# Altium PCB linux_board_PCB.PcbDoc (part 3 of 3)
Units mil, origin at the board's own origin, x right, y up, seen from the top; angles counter-clockwise.
Board outline 7095.54 x 3947.54 mil, 2 copper layers (Top Layer, Bottom Layer); 282 components, 277 nets, 1199 pads, 446 vias.
Unrouted connection lines stored in the file: 29.
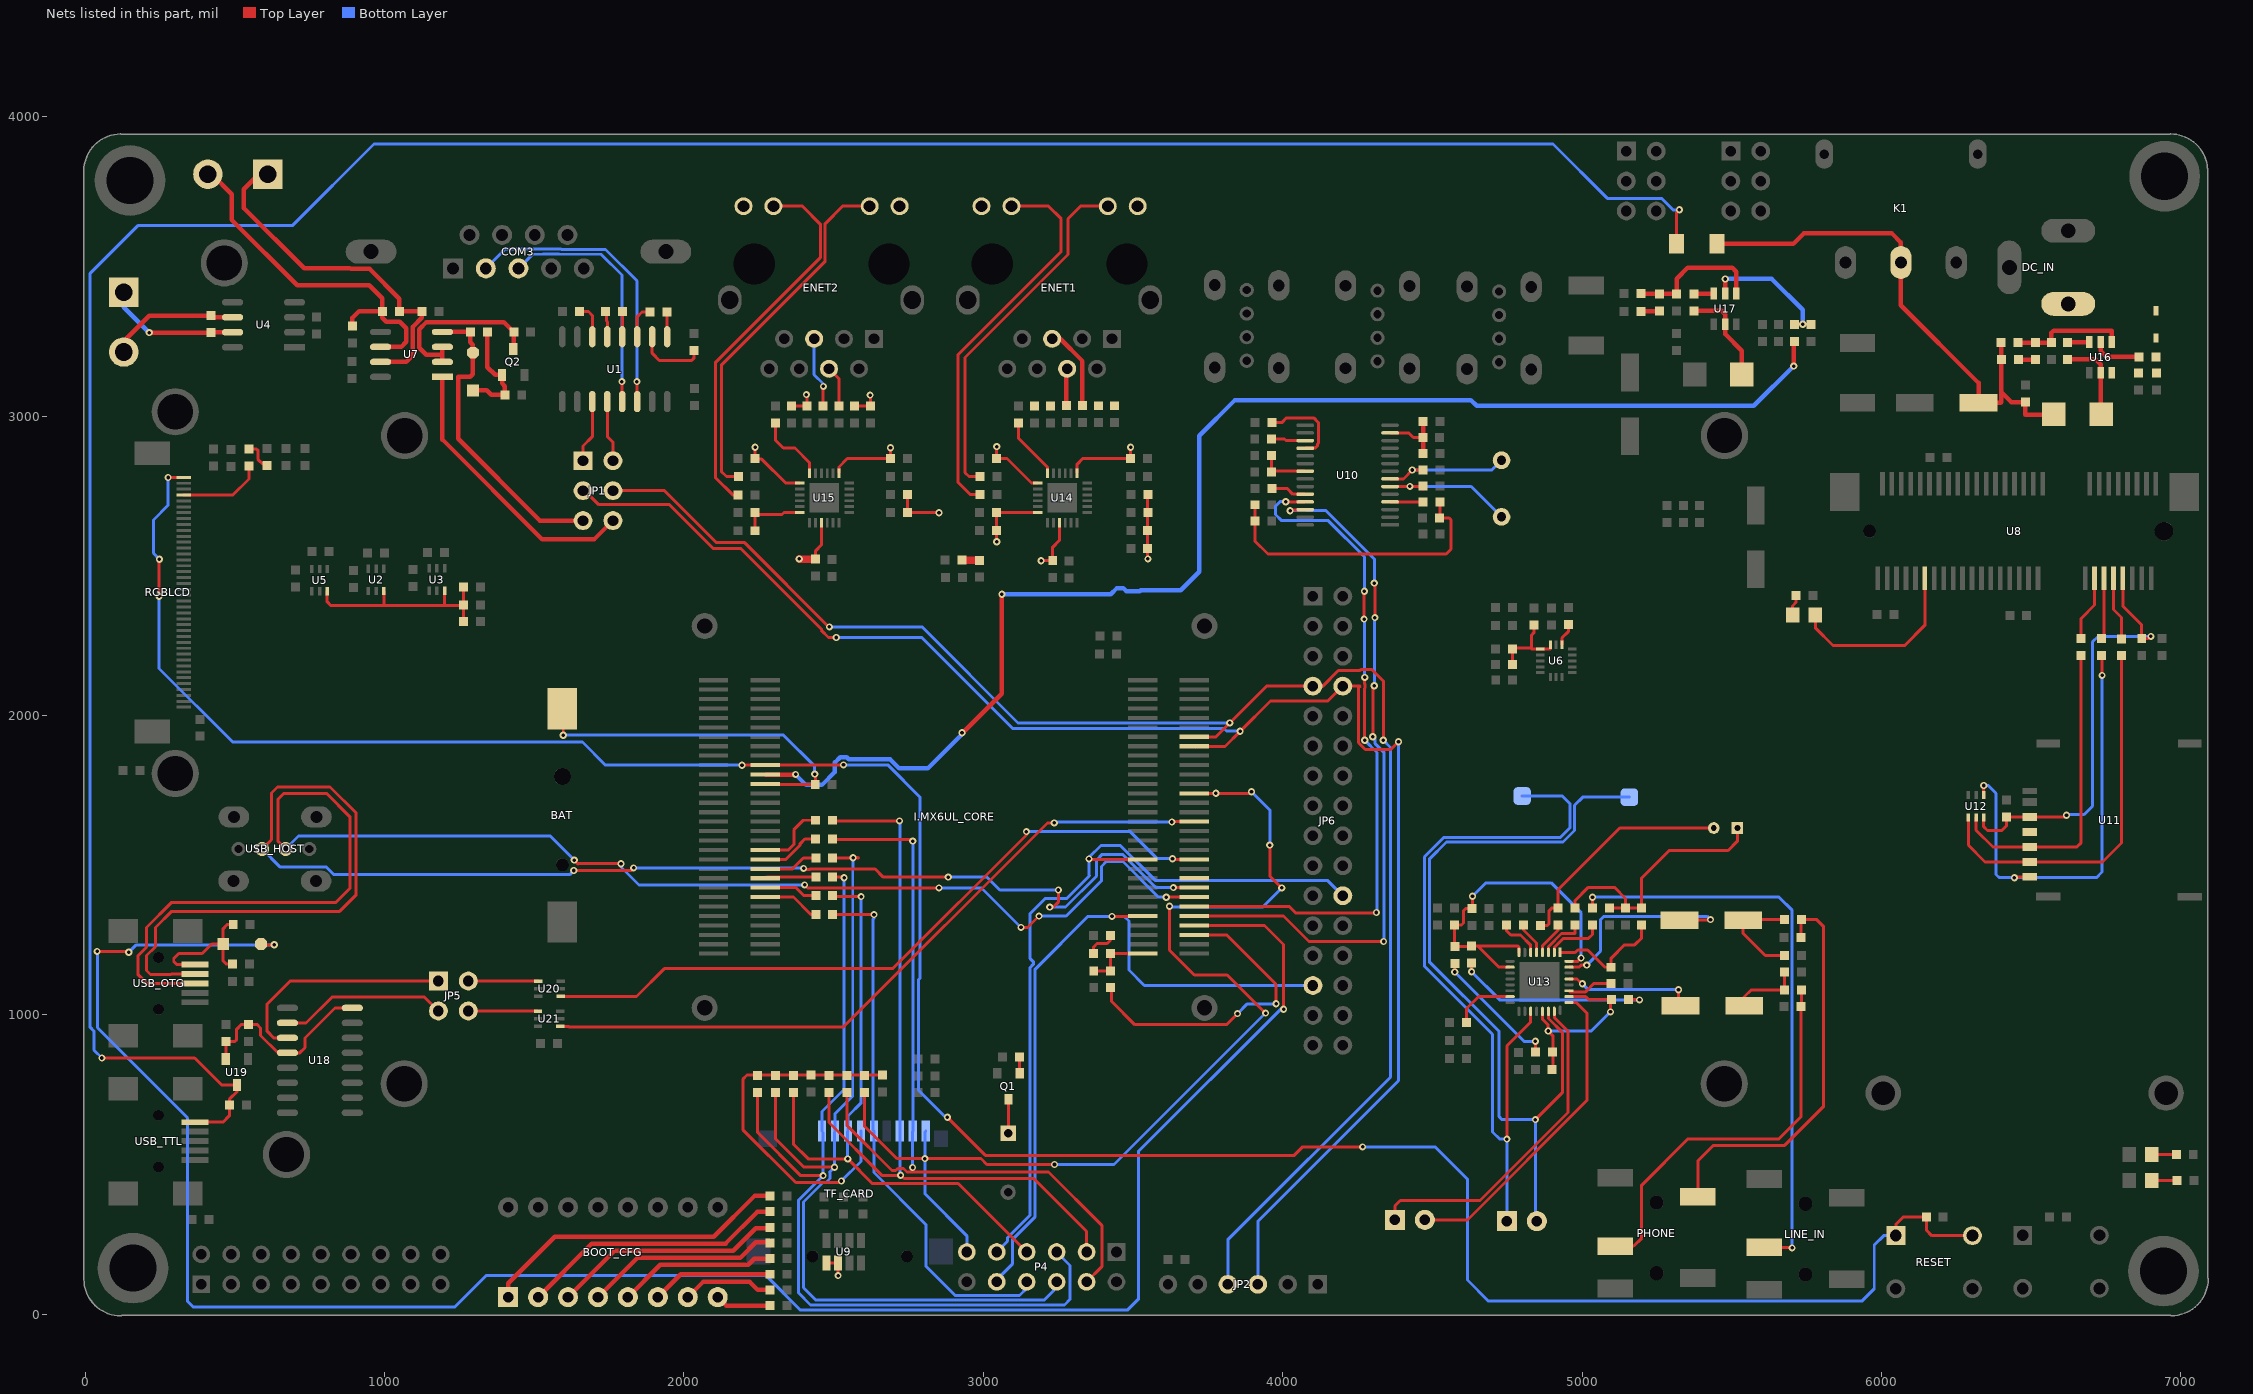
[diagram p3: the nets of this part, all layers, seen from the top]

## Via types
v1: diameter 24, hole 12, Top Layer to Bottom Layer, tented both sides, 317 vias
v2: diameter 24, hole 12, Top Layer to Bottom Layer, 127 vias
v3: diameter 29.53, hole 29.53, Top Layer to Bottom Layer, 2 vias

## Nets (pads, with @x,y where several pads share a name; then routed paths per layer and width w, separated by ;. In a path a pad name is that pad's centre, name@x,y a point inside that pad or via, vN(x,y) a via of type N, cw(c..) or ccw(c..) an arc to the next point about the centre after c; other vN are vias at no path point) (continued)
LINE_INR: C44.2 LINE_IN.5 | length 1943.7
  Top Layer w10: C44.2@5034.5,1356.5 5034.5,1392.5 v1(5035,1393) ; LINE_IN.5@5608.2,223.33 5699.67,223.33 v1(5701.5,221.5)
  Bottom Layer w10: v1(5035,1393) 5658,1393 5702,1349 5702,222 v1(5701.5,221.5)
MAIN_MIC2N: C41.2 MIC.2 R48.1 | length 773.6
  Top Layer w10: R48.1@4862,1298.75 4883.75,1298.75 4890,1305 4890,1348 4898.5,1356.5 C41.2@4919.5,1356.5 4919.5,1417.5 5126,1624 MIC.2@5440,1624
MAIN_MIC2P: C34.1 C40.2 MIC.1 R47.1 R49.2 | length 882.4
  Top Layer w10: C40.2@4977,1356.5 4977,1382 5021,1426 5108,1426 5145,1389 R47.1@5145,1356.25 ; C34.1@5092,1356.25 R47.1@5145,1356.25 ; MIC.1@5518.74,1624 5518.74,1579.74 5488,1549 5291,1549 5199,1457 R49.2@5199,1356.25 R47.1@5145,1356.25
NetBEEP_1: BEEP.1 Q1.3 | length 113.7
  Top Layer w10: BEEP.1@3083,604.43 3084,605.43 Q1.3@3084,717.69
NetBOOT_CFG_1: BOOT_CFG.1 R88.2 | length 1041.7
  Top Layer w15: BOOT_CFG.1@1413,57 1413,103 1569,259 2100,259 2236,395 R88.2@2287.75,395
NetBOOT_CFG_2: BOOT_CFG.2 R89.2 | length 893.1
  Top Layer w15: BOOT_CFG.2@1513,57 1692,236 2139,236 2245.71,342.71 R89.2@2287.75,342.71
NetBOOT_CFG_3: BOOT_CFG.3 R90.2 | length 775
  Top Layer w15: BOOT_CFG.3@1613,57 1768,212 2165,212 2240,287 R90.2@2292.75,287
NetBOOT_CFG_4: BOOT_CFG.4 R91.2 | length 651.6
  Top Layer w15: BOOT_CFG.4@1713,57 1844,188 2188,188 2240,240 R91.2@2288.75,240
NetBOOT_CFG_5: BOOT_CFG.5 R93.2 | length 530.8
  Top Layer w15: BOOT_CFG.5@1813,57 1921,165 2215,165 2235,185 R93.2@2290.75,185
NetBOOT_CFG_6: BOOT_CFG.6 R95.2 | length 407.6
  Top Layer w15: BOOT_CFG.6@1913,57 1990,134 R95.2@2288.75,134
NetBOOT_CFG_7: BOOT_CFG.7 R97.2 | length 308
  Top Layer w15: BOOT_CFG.7@2013,57 2063.96,107.96 2220.04,107.96 2247,81 R97.2@2288.75,81
NetBOOT_CFG_8: BOOT_CFG.8 R98.2 | length 187.3
  Top Layer w15: BOOT_CFG.8@2113,57 2141,29 R98.2@2287.75,29 R98.2@2288.75,29
NetC3_1: C3.1 U1.3 | length 117.1
  Top Layer w10: U1.3@1844,3265 1844,3332 1860,3348 C3.1@1887.5,3348
NetC3_2: C3.2 U1.1 | length 83
  Top Layer w10: U1.1@1944,3265 C3.2@1944,3348
NetC4_2: C4.2 U1.2 | length 232.6
  Top Layer w10: U1.2@1894,3265 1894,3210 1918,3186 2026,3186 2033,3193 C4.2@2033,3218.75
NetC5_1: C5.1 U1.5 | length 87.6
  Top Layer w10: C5.1@1738.62,3349 1741,3346.62 1741,3318 1742,3318 1745,3315 1745,3266 U1.5@1744,3265
NetC5_2: C5.2 U1.4 | length 84.5
  Top Layer w10: U1.4@1794,3265 1795.12,3266.12 C5.2@1795.12,3349
NetC6_2: C6.2 U1.6 | length 119.1
  Top Layer w10: C6.2@1651.25,3349 1681,3349 1694,3336 U1.6@1694,3265
NetC10_2: C10.2 PHONE.2 R54.2 | length 1359.3
  Top Layer w10: PHONE.2@5386.8,392.91 5386.8,511.8 5439,564 5677,564 5806,693 5806,1296 5784,1318 R54.2@5732.25,1318 5731.5,1317.25 C10.2@5731.5,1258
NetC12_2: C12.2 C13.1 L3.1 U6.1 U6.16 | length 278.8
  Top Layer w10: C12.2@4767.25,2171 C13.1@4767.25,2222 4770.25,2225 4828,2225 4831,2222 ; L3.1@4839,2302.75 4839,2276 4831,2268 4831,2222 ; U6.16@4894,2236 4894,2221.62 U6.1@4859.96,2221.62 4859.58,2222 4831,2222
NetC14_1: C14.1 U6.14 | length 77
  Top Layer w10: U6.14@4933.37,2236 4933.37,2259.37 4954,2280 C14.1@4954,2304.5
NetC18_2: C18.2 D4.1 Q2.1 R25.2 | length 360.8
  Top Layer w15: D4.1@1295.11,3085.87 1341.13,3085.87 1356.13,3070.87 C18.2@1401.86,3070.87 1401.86,3100.14 1392.71,3109.29 Q2.1@1392.71,3137.56 1369.44,3137.56 1343.36,3163.64 R25.2@1343.36,3280.87
NetC22_1: C22.1 C23.1 C27.1 R37.1 | length 994.7
  Top Layer w10: C22.1@3907,2703.85 C23.1@3907,2649 3907,2583 3951,2539 4546,2539 4562.5,2555.5 4562.5,2653.5 4556.29,2659.71 C27.1@4524,2659.71 4525.25,2660.96 R37.1@4525.25,2713.43
NetC29_1: C29.1 U10.6 X1.2 | length 470.8
  Top Layer w10: U10.6@4358.73,2764.61 4466.36,2764.61 C29.1@4468.75,2767 C29.1@4468.75,2755.25
  Bottom Layer w10: v1(4425,2765) 4629.51,2765 X1.2@4731,2663.51
NetC30_1: C30.1 U10.7 X1.1 | length 433.8
  Top Layer w10: U10.7@4358.73,2790.2 4403.2,2790.2 v1(4433,2820) C30.1@4468.75,2820
  Bottom Layer w10: v1(4433,2820) 4698.51,2820 X1.1@4731,2852.49
NetC31_1: C31.1 R43.2 R44.2 U10.13 | length 223.8
  Top Layer w10: U10.13@4358.73,2943.75 4421.25,2943.75 4436.59,2928.41 C31.1@4468,2928.41 C31.1@4468.75,2928.41
  Top Layer w15: R44.2@4468.75,2874.57 4468.75,2928.41 R43.2@4468.75,2982
NetC32_2: C32.2 U13.27 | length 153.6
  Top Layer w10: U13.27@4956.42,1080.47 4959.89,1077 5012.18,1077 5028,1092.82 5028,1094 5038,1104 C32.2@5096.75,1104
NetC33_1: C33.1 R49.1 U13.1 | length 400.7
  Top Layer w10: U13.1@4926.92,1208.43 4977.24,1208.43 4985.82,1217 5019,1217 5077,1159 C33.1@5097.25,1159 5097.25,1189.25 5142,1234 5176,1234 5199,1257 R49.1@5199,1299.75
NetC35_1: C35.1 C38.2 | length 429.5
  Top Layer w10: v1(4575,1143) C35.1@4575,1171.75 ; C38.2@4844.25,876.06 v1(4844.25,911.75)
  Bottom Layer w10: v1(4575,1143) 4806.25,911.75 v1(4844.25,911.75)
NetC36_1: C36.1 C37.2 | length 666.6
  Top Layer w10: v1(4631,1144) C36.1@4631,1172.75 ; C37.2@5154.5,1051 5191,1051 v1(5192,1050)
  Bottom Layer w10: v1(4631,1144) 4725,1050 v1(5192,1050)
NetC37_1: C37.1 C38.1 L8.2 U13.21 U13.26 | length 631.3
  Top Layer w10: U13.21@4867.84,1011.57 4867.84,985.15 4887,966 v2(4887,946) 4902.5,930.5 L8.2@4902.5,817 ; U13.26@4956.42,1060.78 5012.22,1060.78 5022,1051 C37.1@5098,1051 5095,1048 v2(5095,1010)
  Bottom Layer w10: v2(4887,946) 5031,946 v2(5095,1010)
NetC40_1: C40.1 U13.3 | length 155.3
  Top Layer w10: U13.3@4887.53,1208.43 4887.53,1227.89 4931.39,1271.75 4977,1271.75 C40.1@4977,1300
NetC41_1: C41.1 U13.4 | length 113
  Top Layer w10: U13.4@4867.84,1208.43 4867.84,1230.83 4919.5,1282.49 C41.1@4919.5,1300
NetC42_1: C42.1 U13.6 | length 144.2
  Top Layer w10: C42.1@4747,1300 4747,1282 4762,1267 4794.25,1267 4828.47,1232.79 U13.6@4828.47,1208.43
NetC43_1: C43.1 U13.5 | length 109.7
  Top Layer w10: C43.1@4804.5,1300 4804.5,1283.5 4848.16,1239.85 U13.5@4848.16,1208.43
NetC44_1: C44.1 U13.2 | length 193.3
  Top Layer w10: U13.2@4907.23,1208.43 4907.23,1224.96 4938.02,1255.75 5021.75,1255.75 5034.5,1268.5 C44.1@5034.5,1300
NetC45_1: C45.1 U13.31 | length 713.5
  Top Layer w10: U13.31@4956.42,1159.23 4989.77,1159.23 4990,1159 4997,1166 v1(5015.43,1166) ; C45.1@5325.7,1316 5427,1316 v1(5429,1318)
  Bottom Layer w10: v1(5015.43,1166) 5062,1212.57 5062,1318 5073,1329 5418,1329 v1(5429,1318)
NetC45_2: C45.2 R26.1 R54.1 | length 350.6
  Top Layer w10: R26.1@5675.75,1198 5612,1198 5538.3,1271.7 C45.2@5538.3,1316 5540.3,1318 R54.1@5675.75,1318
NetC46_1: C46.1 U13.29 | length 438
  Top Layer w10: U13.29@4956.42,1119.85 4983.15,1119.85 4999,1104 v1(5001,1104) ; v1(5322,1084) 5322,1038.7 5321,1037.7 C46.1@5328.7,1030
  Bottom Layer w10: v1(5001,1104) 5021,1084 v1(5322,1084)
NetC46_2: C46.2 R30.1 R83.1 | length 233.6
  Top Layer w10: C46.2@5541.3,1030 5541.3,1059.3 5565,1083 R83.1@5675.75,1083 R30.1@5675.75,1143
NetC49_2: C49.2 C50.2 U14.6 | length 235.1
  Top Layer w10: v1(3045,2580) 3044.5,2580.5 C50.2@3044.5,2618.03 C49.2@3044.5,2678.05 3044.76,2677.79 U14.6@3181.28,2677.79
NetC55_2: C55.2 ENET1.4 | length 124.1
  Top Layer w15: C55.2@3277.94,3034.75 3277.94,3155.94 ENET1.4@3280,3158
NetC56_2: C56.2 ENET1.5 | length 281
  Top Layer w15: ENET1.5@3230,3258 3257,3258 3331.25,3183.75 C56.2@3331.25,3034.75
NetC57_2: C57.2 C58.2 U15.6 | length 215.9
  Top Layer w10: C58.2@2237.25,2617 2237.25,2677.8 C57.2@2237.5,2678.05 2244.55,2671 2327.18,2671 2334.23,2678.05 2386.01,2678.05 U15.6@2386.28,2677.79
NetC62_2: C62.2 ENET2.4 | length 138.2
  Top Layer w10: ENET2.4@2484.82,3158 2517.31,3125.51 C62.2@2517.31,3033.25
NetC63_2: C63.2 ENET2.5 | length 238.3
  Top Layer w10: C63.2@2464.5,3033.25 2464.5,3097.5 v1(2466,3099)
  Bottom Layer w10: ENET2.5@2434.82,3258 2434.82,3138.18 2466,3107 v1(2466,3099)
NetC65_1: C65.1 U17.6 | length 67
  Top Layer w15: C65.1@5374,3408.25 5374.93,3409.18 U17.6@5440.6,3409.18
NetC65_2: C65.2 L10.1 U17.2 | length 333
  Top Layer w15: C65.2@5374,3351.75 5466.25,3351.75 5478,3340 U17.2@5478,3306.82 5478,3274 5533.74,3218.26 L10.1@5533.74,3139
NetC66_1: C66.1 U16.6 | length 73
  Top Layer w15: C66.1@6622,3246.25 6622.93,3247.18 U16.6@6694.6,3247.18
NetC66_2: C66.2 L11.1 U16.2 | length 284.7
  Top Layer w15: C66.2@6622,3189.75 6715.25,3189.75 6732,3173 U16.2@6732,3144.82 6732,3007.74 L11.1@6733.74,3006
NetC67_1: C67.1 R78.1 | length 61.5
  Top Layer w15: C67.1@5197.25,3350 5256.25,3350 R78.1@5258,3351.75
NetC68_2: C68.2 R46.1 U17.5 | length 398.5
  Top Layer w15: U17.5@5478,3409.18 v1(5478,3458)
  Bottom Layer w15: v1(5478,3458) 5634,3458 5737,3355 v1(5737,3307)
NetC70_1: C70.1 R79.1 | length 56.9
  Top Layer w15: C70.1@6457.25,3189 6457.5,3188.75 R79.1@6514,3188.75
NetC70_2: C70.2 C71.1 C74.2 F1.1 K1.2 L11.2 R82.1 | length 1795.2
  Top Layer w15: F1.1@5450.5,3575 5705,3575 5740,3610 6035,3610 6065,3580 K1.2@6065,3513 6065,3370 6324.3,3110.7 C71.1@6324.3,3044 6399,3044 6400.75,3045.75 6400.75,3079.25 ; R82.1@6399.75,3246 6400.75,3245 C70.2@6400.75,3189 6400.75,3079.25 ; L11.2@6576.26,3006 6574.26,3004 6481,3004 C74.2@6481,3046.75 6433.25,3046.75 6400.75,3079.25
NetC81_1: C81.1 I.MX6UL_CORE.J2_1 L9.2 R11.1 | length 220.8
  Top Layer w10: C81.1@3369,1147.25 R11.1@3425,1147.25 3425,1204.75 L9.2@3425.25,1205 3531.26,1205 I.MX6UL_CORE.J2_1@3531.95,1204.31
NetC91_2: C91.2 PHONE.5 R83.2 | length 1326.7
  Top Layer w10: PHONE.5@5111.2,227.55 5172.55,227.55 5199,254 5199,431 5354,586 5658,586 5731.5,659.5 C91.2@5731.5,1028 5732.25,1028.75 R83.2@5732.25,1083
NetC96_1: C96.1 L9.1 | length 103.3
  Top Layer w10: L9.1@3368.75,1205 3368.75,1226.75 3380,1238 3414,1238 3425.25,1249.25 C96.1@3425.25,1265
NetCAN1_1: CAN1.1 R10.2 U4.7 | length 449.6
  Top Layer w15: v1(214,3278.75) R10.2@420,3278.75 421.25,3280 U4.7@492.65,3280
  Bottom Layer w15: CAN1.1@129,3414 129,3363.75 v1(214,3278.75)
NetCAN1_2: CAN1.2 R10.1 U4.6 | length 437.3
  Top Layer w15: CAN1.2@129,3214 129,3250.25 214,3335.25 R10.1@420,3335.25 425.25,3330 U4.6@492.65,3330
NetCOM3_2: COM3.2 U1.14 | length 979.2
  Top Layer w10: v1(1843,3115) 1844,3114 U1.14@1844,3048.46
  Bottom Layer w10: COM3.2@1338.24,3493.19 1402.71,3557.65 1589.81,3557.65 1590.93,3556.54 1738.46,3556.54 1843,3452 v1(1843,3115)
NetCOM3_3: COM3.3 U1.13 | length 816.5
  Top Layer w10: U1.13@1794,3048.46 v1@1794,3114
  Bottom Layer w10: COM3.3@1447.42,3493.19 1494.76,3540.54 1528.65,3540.54 1529.76,3541.65 1583.18,3541.65 1584.3,3540.54 1723.46,3540.54 1793,3471 v1(1793,3115)
NetDC_IN_1: DC_IN.1 VD1.1
NetDS0_1: DS0.1 R9.2 | length 80.2
  Top Layer w10: DS0.1@6907,447 6908,446 R9.2@6986.75,446
NetENET1_10: ENET1.10 R62.1 | length 1195.8
  Top Layer w10: R62.1@2988.75,2797.97 2952.03,2797.97 2939,2811 2939,3196 3283,3540 3283,3659 3324.91,3700.91 ENET1.10@3415.83,3700.91
NetENET1_11: ENET1.11 R64.1 | length 1296
  Top Layer w10: R64.1@2988.75,2737.95 2956.05,2737.95 2916,2778 2916,3205.53 3260,3549.53 3260,3659 3218.09,3700.91 ENET1.11@3094.18,3700.91
NetENET2_10: ENET2.10 R68.1 | length 1208.2
  Top Layer w10: R68.1@2181.75,2797.97 2142.03,2797.97 2125,2815 2125,3170 2471.86,3516.86 2471.86,3642.86 2529.91,3700.91 ENET2.10@2620.65,3700.91
NetENET2_11: ENET2.11 R69.1 | length 1272.5
  Top Layer w10: R69.1@2180.5,2737 2163,2737 2105,2795 2105,3178.28 2455.86,3529.14 2455.86,3641 2395.95,3700.91 ENET2.11@2299,3700.91
NetGREEN_1: GREEN.1 R33.1 | length 69.9
  Top Layer w10: GREEN.1@5703,2336 5703,2366 5714.75,2377.75 R33.1@5714.75,2401
NetGREEN_2: GREEN.2 U8.42 | length 618.2
  Top Layer w10: GREEN.2@5779.01,2336 5779.01,2292.99 5838,2234 6078,2234 6145.02,2301.02 U8.42@6145.02,2458
NetJP5_2: JP5.2 U20.4 | length 233.8
  Top Layer w10: JP5.2@1280,1113 1513.19,1113 U20.4@1513.6,1112.59
NetJP5_4: JP5.4 U21.4 | length 232.8
  Top Layer w10: JP5.4@1280,1013 1512.19,1013 U21.4@1512.6,1012.59
NetPWR_1: PWR.1 R50.2 | length 82
  Top Layer w10: PWR.1@6903,533 R50.2@6985,533
NetQ1_1: Q1.1 R18.2 | length 54.8
  Top Layer w10: R18.2@3121.25,859 3121.4,858.85 Q1.1@3121.4,804.31
NetQ2_3: Q2.3 R24.1 U7.2 U7.3 | length 595.9
  Top Layer w15: U7.2@1193.46,3180.87 1193.46,3205 ; U7.3@1193.46,3230.87 1193.46,3205 ; Q2.3@1430.11,3224.18 1431.86,3225.93 R24.1@1431.86,3280.87 1398.73,3314 1140,3314 1116,3290 1116,3228 1139,3205 1193.46,3205
NetR19_1: R19.1 R21.2 RS485.1 U7.7 | length 1202.8
  Top Layer w15: RS485.1@610,3808 580,3808 530,3758 530,3695 731.5,3493.5 884.57,3493.5 886.47,3491.59 949.91,3491.59 1049.25,3392.25 R21.2@1049.25,3350 R19.1@1124.75,3350 1124.75,3328.45 1095,3298.7 1095,3203 1072.87,3180.87 U7.7@986.76,3180.87
NetR20_2: R20.2 R21.1 RS485.2 U7.6 | length 1239
  Top Layer w15: RS485.2@410,3808 423.5,3808 490.05,3741.45 490.05,3655.05 708.1,3437 949,3437 992.75,3393.25 R21.1@992.75,3350 ; R20.2@893,3301.25 893,3328 915,3350 R21.1@992.75,3350 ; U7.6@986.76,3230.87 1055.87,3230.87 1073,3248 1073,3293 1051,3315 1006,3315 992.75,3328.25 R21.1@992.75,3350
NetR27_1: R27.1 U8.10 | length 213.2
  Top Layer w10: U8.10@6774.95,2458 6774.95,2354.05 6801.94,2327.06 R27.1@6801.94,2256
NetR28_1: R28.1 U8.12 | length 204.7
  Top Layer w10: R28.1@6734.53,2257 6743.45,2265.92 U8.12@6743.45,2458
NetR29_1: R29.1 U8.14 | length 219.6
  Top Layer w10: R29.1@6667,2257 6667,2324 6711.95,2368.95 U8.14@6711.95,2458
NetR37_2: R37.2 U10.4 | length 110
  Top Layer w10: U10.4@4358.73,2713.43 R37.2@4468.75,2713.43
NetR38_2: R38.2 U10.17 | length 114.1
  Top Layer w10: R38.2@3963.25,2923.27 4005.73,2923.27 4010.84,2918.16 U10.17@4075.27,2918.16
NetR39_2: R39.2 R40.2 U10.21 | length 164.6
  Top Layer w10: R39.2@3963.25,2813.56 R40.2@3963.25,2868.42 ; R39.2@3965.48,2815.8 U10.21@4075.27,2815.8
NetR41_1: R41.1 U10.24 | length 119.1
  Top Layer w10: R41.1@3964.25,2758.58 4014.42,2758.58 4033.98,2739.02 U10.24@4075.27,2739.02
NetR42_1: R42.1 U10.18 | length 291.6
  Top Layer w10: R42.1@3964.25,2978 3997,2978 4013,2994 4103.79,2994 4119.8,2978 4119.8,2909.5 4117,2906.7 4117,2902 4107.57,2892.57 U10.18@4075.27,2892.57
NetR51_2: R51.2 U13.15 | length 207.9
  Top Layer w10: R51.2@4614.25,975 4614.25,1021.25 4653.78,1060.78 U13.15@4759.57,1060.78
NetR66_2: R66.2 U14.24 | length 207.5
  Top Layer w10: R66.2@3117,2976.75 3117,2927 3214.79,2829.21 U14.24@3214.79,2809.72
NetR73_2: R73.2 U15.24 | length 236.7
  Top Layer w10: R73.2@2306.06,2976.5 2306.06,2918.94 2332,2893 2371,2893 2419.79,2844.21 U15.24@2419.79,2809.72
NetR76_1: R76.1 R77.2 | length 101.6
  Top Layer w10: R77.2@547,2890.25 572.75,2890.25 577,2886 577,2856 598.25,2834.75 R76.1@608,2834.75
NetR77_1: R77.1 RGBLCD.37 | length 283.8
  Top Layer w10: RGBLCD.37@329.21,2736.3 493.3,2736.3 547,2790 R77.1@547,2833.75
NetR78_2: R78.2 R81.2 R92.2 U17.4 | length 463.5
  Top Layer w15: R81.2@5197.25,3409 5198,3408.25 R78.2@5258,3408.25 R92.2@5316,3408.25 5316,3459 5353,3496 5502,3496 5515.4,3482.6 U17.4@5515.4,3409.18
NetR79_2: R79.2 R82.2 R94.2 U16.4 | length 387.8
  Top Layer w15: R82.2@6456.25,3246 6457,3245.25 R79.2@6514,3245.25 R94.2@6568,3245.25 6568,3278 6575.6,3285.6 6769.4,3285.6 U16.4@6769.4,3247.18
NetR80_2: R80.2 U16.5 | length 166.2
  Top Layer w15: U16.5@6732,3247.18 6732,3218 6752,3198 R80.2@6860.75,3198
NetSPKL_1: SPKL.1 U13.23 | length 1111
  Top Layer w10: SPKL.1@4375,315 4375,362 4393,380 4659.37,380 4953,673.63 4953,945.25 4907.23,991.03 U13.23@4907.23,1011.57
NetSPKL_2: SPKL.2 U13.25 | length 1072.4
  Top Layer w10: SPKL.2@4475,315 4617,315 5016,714 5016,1006 4980.92,1041.08 U13.25@4956.42,1041.08
NetSPKR+_1: SPKR+.1 SPKR.2 U13.22 | length 2643.8
  Top Layer w10: v1(4844,650) 4934,740 4934,941.63 4887.53,988.09 U13.22@4887.53,1011.57
  Bottom Layer w10: SPKR.2@4849,311 4844,316 v1(4844,650) 4733,650 4723,660 4723,944.11 4490,1177.11 4490,1520 4547,1577 4936,1577 4975,1616 4975,1700 5002,1727 SPKR+.1@5158,1727
NetSPKR_1: SPKR-.1 SPKR.1 U13.19 | length 2580.6
  Top Layer w10: v1(4749,585) 4749,896.53 4828.47,975.99 U13.19@4828.47,1011.57
  Bottom Layer w10: SPKR.1@4749,311 v1(4749,585) 4725,585 4701,609 4701,935 4474,1162 4474,1528 4539,1593 4928,1593 4959,1624 4959,1706 4934,1731 SPKR-.1@4800,1731
NetU9_5: U9.5 U9.6 | length 80.3
  Top Layer w10: U9.5@2476.62,171 U9.6@2514.81,171 2514.81,129.19 v1(2515,129)
nUSB_OTG_CHD: I.MX6UL_CORE.J2_52
PMIC_ON_REQ: I.MX6UL_CORE.J1_41 R46.2 | length 4656.6
  Top Layer w15: I.MX6UL_CORE.J1_41@2272.11,1802.73 2372.73,1802.73 v1(2373,1803) ; v2(2929,1942) 2931,1942 3062,2073 v2(3062,2405) ; v2(5707,3167) 5707,3245.75 R46.2@5710,3248.75
  Bottom Layer w15: v1(2373,1803) 2408,1768 2461,1768 2504,1811 2504,1842.94 2504.88,1842.94 2522.44,1860.5 2543.56,1860.5 2550.56,1853.5 2688.66,1853.5 2719.16,1823 2815,1823 2934,1942 v2(2929,1942) ; v2(3062,2405) 3425.94,2405 3446.44,2425.5 3467.56,2425.5 3477.56,2415.5 3522.56,2415.5 3525.56,2418.5 3659.5,2418.5 3721,2480 3721,2934 3840.5,3053.5 4628.56,3053.5 4648.06,3034 5574,3034 v2(5707,3167)
RESET: I.MX6UL_CORE.J1_40 R115.1 RESET.1 RGBLCD.40 | length 8735.1
  Top Layer w10: v2(247,2398) 247,2521 v2(248,2522) ; v1(277,2795) 277.36,2795.36 RGBLCD.40@329.21,2795.36 ; v2(2194,1834) 2194.23,1834.23 I.MX6UL_CORE.J1_40@2272.11,1834.23 2532.23,1834.23 v1(2533,1835) ; v1(2880,658) 3007,531 4039,531 4067,559 v1(4267,559) ; RESET.1@6048.05,262.58 6048.05,300.05 6072,324 R115.1@6149.75,324 6149.75,281.25 6168.42,262.58 RESET.1@6303.95,262.58
  Bottom Layer w10: v2(247,2398) 247,2157 493,1911 1661.37,1911 1738.37,1834 v2(2194,1834) ; v2(248,2522) 228,2542 228,2653 277,2702 v1(277,2795) ; v1(2533,1835) 2681,1835 2788,1728 2788,1121.18 2783,1116.18 2783,749 2880,652 v1(2880,658) ; v1(4267,559) 4509,559 4617,451 4617,114 4686,45 5936,45 5976,85 5976,231 6007.58,262.58 RESET.1@6048.05,262.58
RS485_RX: D4.2 JP1.5 R25.1 U7.4 | length 1027.5
  Top Layer w15: U7.4@1193.46,3280.87 R25.1@1286.86,3280.87 1286.86,3246.14 1295.11,3237.89 D4.2@1295.11,3211.85 1295.11,3140.11 1285.87,3130.87 1246,3130.87 1246,2924 1519,2651 JP1.5@1663,2651
RS485_TX: JP1.6 U7.1 | length 943.1
  Top Layer w15: U7.1@1193.46,3130.87 1193.46,2921.54 1527,2588 1700,2588 JP1.6@1763,2651
RXD: JP5.1 U18.3 | length 771.7
  Top Layer w10: U18.3@675.73,923 630,923 608,945 608,1036 685,1113 JP5.1@1180,1113
SD1_CLK: I.MX6UL_CORE.J1_54 R100_4.2 | length 192.5
  Top Layer w10: I.MX6UL_CORE.J1_54@2272.11,1393.28 2365.72,1393.28 2424,1335 R100_4.2@2440.5,1335
SD1_CMD: I.MX6UL_CORE.J1_53 R100_3.2 | length 179.5
  Top Layer w10: I.MX6UL_CORE.J1_53@2272.11,1424.78 2374.22,1424.78 2401.03,1397.97 R100_3.2@2440.5,1397.97
SD1_DATA0: I.MX6UL_CORE.J1_49 R99_1.1 | length 237.2
  Top Layer w10: I.MX6UL_CORE.J1_49@2272.11,1550.76 2348.76,1550.76 2367,1569 2367,1618 2399,1650 R99_1.1@2439.5,1650
SD1_DATA1: I.MX6UL_CORE.J1_50 R99_2.1 | length 197.8
  Top Layer w10: I.MX6UL_CORE.J1_50@2272.11,1519.27 2340.27,1519.27 2387,1566 2387,1570 2404.03,1587.03 R99_2.1@2439.5,1587.03
SD1_DATA2: I.MX6UL_CORE.J1_52 R100_2.2 | length 170.3
  Top Layer w10: I.MX6UL_CORE.J1_52@2272.11,1456.28 2276.78,1460.95 R100_2.2@2440.5,1460.95
SD1_DATA3: I.MX6UL_CORE.J1_51 R100_1.2 | length 183.4
  Top Layer w10: I.MX6UL_CORE.J1_51@2272.11,1487.77 2362.77,1487.77 2398.92,1523.92 R100_1.2@2440.5,1523.92
SD_3V3: C95.2 L2.1 R1.2 R2.2 R4.2 R5.2 R6.2 R8.2 TF_CARD.4 | length 1238.2
  Top Layer w10: v2(2526,445) 2521,440 2373.63,440 2197,616.63 2197,784.75 2211,798.75 2305.91,798.75 L2.1@2663.36,798.75
  Bottom Layer w10: v2(2526,445) 2591.28,510.28 TF_CARD.4@2591.28,611.64
SGM_CTRL: R32.1 R35.1 R36.1 U2.6 U3.6 U5.6 | length 705.9
  Top Layer w10: U5.6@808.59,2414.6 808.59,2379.41 819.59,2368.41 ; 819.59,2367.41 997.59,2367.41 ; U2.6@997.59,2415.6 997.59,2368.41 999,2367 1261.5,2367 R35.1@1263.5,2369 ; 1200.59,2369 U3.6@1200.59,2416.6 ; R32.1@1263.5,2314 R35.1@1263.5,2369 ; R36.1@1263.5,2429 R35.1@1263.5,2369
SIM_CLK: R28.2 U11.C3 U12.1 | length 1498.6
  Top Layer w10: U12.1@6341.59,1734.4 6341.59,1765.59 v1(6342,1766) ; v1(6444,1458) 6446.75,1460.75 U11.C3@6495.94,1460.75 ; R28.2@6734.53,2200.5 6737,2198.03 v1(6737,2134)
  Bottom Layer w10: v1(6342,1766) 6357,1766 6383,1740 6383,1469 6394,1458 v1(6444,1458) 6718,1458 6737,1477 v1(6737,2134)
SIM_DATA: R27.2 U11.C7 U12.4 | length 1279.4
  Top Layer w10: U12.4@6290.41,1659.6 6290.41,1566.59 6346.25,1510.75 U11.C7@6495.94,1510.75 6738.75,1510.75 6801.94,1573.94 R27.2@6801.94,2199.5
SIM_RST: R29.2 U11.C2 U12.5 | length 1048.3
  Top Layer w10: U12.5@6316,1659.6 6316,1617 6372.25,1560.75 U11.C2@6495.94,1560.75 6652.75,1560.75 6667,1575 R29.2@6667,2200.5
SIM_VDD: C28.1 C90.1 U8.8 U11.C1 U12.6 | length 1462.7
  Top Layer w10: U12.6@6341.59,1659.6 6341.59,1628.41 6354,1616 6402,1616 6417,1631 C28.1@6417,1661 6417.25,1660.75 U11.C1@6495.94,1660.75 6611.75,1660.75 v2(6618,1667) ; U8.8@6806.44,2458 6806.44,2365.56 6869.47,2302.53 C90.1@6869.47,2257.25 6893.25,2257.25 v2(6900,2264)
  Bottom Layer w10: v2(6618,1667) 6620,1669 6677,1669 6705,1697 6705,2246 6723,2264 v2(6900,2264)
SIM_VPP: U11.C6
SNVS_TAMPER0: I.MX6UL_CORE.J2_5 JP6.27 P4.10 | length 2392.6
  Top Layer w10: v1(3430,1329) 3530.66,1329 I.MX6UL_CORE.J2_5@3531.95,1330.29
  Bottom Layer w10: P4.10@3045,108 3045,115 3097,167 3097,249 3172,324 3172,1151 3350,1329 v1(3430,1329) 3471,1329 3486.5,1313.5 3486.5,1149.5 3538,1098 JP6.27@4101,1098
SNVS_TAMPER2: I.MX6UL_CORE.J2_11 JP6.22 P4.9 | length 2611.7
  Top Layer w10: v1(3353,1521) 3354.73,1519.27 I.MX6UL_CORE.J2_11@3531.95,1519.27
  Bottom Layer w10: P4.9@3045,208 3081,244 3081,255.63 3156,330.63 3156,1157.63 3167,1168.63 3167,1177.47 3156.74,1187.74 3156.74,1338.74 3206,1388 3278,1388 3355,1465 3353,1467 v1(3353,1521) 3353,1526 3393,1566 3457.88,1566 3575.88,1448 4151,1448 JP6.22@4201,1398
TXD: JP5.3 U18.2 | length 559.8
  Top Layer w10: U18.2@675.73,973 738,973 825,1060 1133,1060 JP5.3@1180,1013
U3_RX: JP1.1 U1.11 | length 210.3
  Top Layer w10: JP1.1@1663,2851 1663,2900 1694,2931 U1.11@1694,3048.46
U3_TX: JP1.2 U1.12 | length 205.3
  Top Layer w10: U1.12@1744,3048.46 1744,2932 1763,2913 JP1.2@1763,2851
UART1_RTS: I.MX6UL_CORE.J2_43 P4.11 R8.1 TF_CARD.9 | length 3691.6
  Top Layer w10: R8.1@2603.68,741.25 2603.68,627.32 2711,520 v1(2805,520) 2992,520 3012,500 v2(3238,500) ; v2(3622,1363) 3622,1215.83 3704.83,1133 3814.63,1133 3941.63,1006 v2(3943,1006) ; I.MX6UL_CORE.J2_43@3705.18,1739.74 3776.74,1739.74 v1(3777,1740) 3891,1740 v2(3896,1745) ; v2(3957,1567) 3957,1464 v2(3997,1424)
  Bottom Layer w10: TF_CARD.9@2807.82,611.64 2805,608.82 v1(2805,520) 2805,402 2945,262 P4.11@2945,208 ; v2(3238,500) 3437,500 v2(3943,1006) ; v2(3622,1363) 3624.5,1360.5 3933.5,1360.5 v2(3997,1424) ; v2(3896,1745) 3957,1684 v2(3957,1567)
UART1_RXD: I.MX6UL_CORE.J2_46 U21.1 | length 2401.8
  Top Layer w10: U21.1@1587.4,961.41 1614.41,961.41 1614.82,961 1616,961 ; 1616,960 2533.37,960 3214.37,1641 v1(3237,1641) ; v1(3630,1644) 3631.25,1645.25 I.MX6UL_CORE.J2_46@3705.18,1645.25
  Bottom Layer w10: v1(3237,1641) 3240,1644 v1(3630,1644)
UART1_TXD: I.MX6UL_CORE.J2_50 U20.1 | length 2390.9
  Top Layer w10: U20.1@1587.4,1061 1841.49,1061 1934.49,1154 2697,1154 3144,1601 v1(3144,1612) ; v1(3632,1521.54) 3634.27,1519.27 I.MX6UL_CORE.J2_50@3705.18,1519.27
  Bottom Layer w10: v1(3144,1612) 3491,1612 3581.46,1521.54 v1(3632,1521.54)
UART3_RXD: I.MX6UL_CORE.J2_37 JP1.4 JP2.4 JP6.7 | length 5372.7
  Top Layer w10: JP1.4@1763,2751 1935,2751 2109,2577 2203,2577 2485,2295 v1(2486,2296) ; I.MX6UL_CORE.J2_37@3705.18,1928.72 3777,1928.72 v1(3823.28,1975) 3946.28,2098 JP6.7@4101,2098 4134,2098 4186,2150 4258.82,2150 4262.82,2154 4297,2154 4336,2115 v1(4336,1917)
  Bottom Layer w10: v1(2486,2296) 2795,2296 3116,1975 v1(3823.28,1975) ; JP2.4@3817,100 3817,249 4360,792 4360,1893 v1(4336,1917)
UART3_TXD: I.MX6UL_CORE.J2_38 JP1.3 JP2.3 JP6.8 | length 5522.6
  Top Layer w10: JP1.3@1663,2751 1669,2751 1716,2704 1952,2704 2099,2557 2191,2557 2459,2289 2459,2284.82 2483.32,2260.5 v1(2509,2260.5) ; I.MX6UL_CORE.J2_38@3705.18,1897.22 3708.4,1894 3710.4,1896 3807,1896 v1(3858,1947) 3959,2048 4151,2048 JP6.8@4201,2098 4259,2098 4253,2092 4253,1909 4276,1886 4361,1886 v1(4387,1912)
  Bottom Layer w10: v1(2509,2260.5) 2794.5,2260.5 3099,1956 3804.1,1956 3812.1,1948 3857,1948 v1(3858,1947) ; JP2.3@3917,100 3917,310 4387,780 v1(4387,1912)
UART_3V3: C76.2 C77.2 U18.4 U18.16 U19.2 | length 660.8
  Top Layer w10: U19.2@469.6,852.31 470,852.71 C76.2@470,911.75 500.75,911.75 506,917 506,952 521,967 543.75,967 C77.2@545,968.25 573.75,968.25 586,956 586,931 644,873 U18.4@675.73,873 717,873 734.5,890.5 734.5,922.5 835,1023 U18.16@892.27,1023
USB_OTG1_DN: I.MX6UL_CORE.J2_53 USB_HOST.2 USB_OTG.2 | length 5299.8
  Top Layer w10: USB_OTG.2@367.36,1136.49 288.49,1136.49 287,1135 218,1135 205,1148 205,1197.88 235,1227.88 235,1292 289,1346 850.43,1346 905.21,1400.79 905.21,1674.21 818.21,1761.21 642.79,1761.21 622.29,1740.71 622.29,1585.06 USB_HOST.2@591.23,1554 ; v2(1632,1482) 1632,1484 1634.5,1481.5 1822.5,1481.5 v2(1832,1491) ; v2(2400,1489) 2404,1485 2418.99,1485 2420.94,1486.95 2639.05,1486.95 2666,1460 v2(2883,1460) ; v2(3222,1360) 3234,1360 3252,1378 3252,1410 3245,1417 v2(3251,1417) ; v2(3635,1425) 3635.22,1424.78 I.MX6UL_CORE.J2_53@3705.18,1424.78
  Bottom Layer w10: USB_HOST.2@591.23,1554 651.8,1493.43 806.57,1493.43 831.66,1468.35 1618.35,1468.35 v2(1632,1482) ; v2(1832,1491) 2398,1491 v2(2400,1489) ; v2(2883,1460) 3012.37,1460 3055.37,1417 v2(3251,1417) ; v2(3222,1360) 3275,1360 3378,1463 3378,1517 3397,1536 3465.25,1536 3576.25,1425 v2(3635,1425)
USB_OTG1_DP: I.MX6UL_CORE.J2_54 USB_HOST.3 USB_OTG.3 | length 5158.3
  Top Layer w10: USB_OTG.3@367.36,1105 205.57,1105 177,1133.57 177,1198 205,1226 205,1292 289,1376 838,1376 884,1422 884,1662 806,1740 664,1740 643.5,1719.5 643.5,1580.47 USB_HOST.3@669.97,1554 ; v2(1634,1517) 1634,1516 1645.5,1504.5 1646,1505 v2(1790,1505) ; v2(2403,1434) 2413,1424 v2(2852,1424) ; v2(3126,1292) 3148,1292 v2(3186,1330) ; v2(3611,1393) 3625,1393 3625.28,1393.28 I.MX6UL_CORE.J2_54@3705.18,1393.28
  Bottom Layer w10: USB_HOST.3@669.97,1554 712.97,1597 1554,1597 v2(1634,1517) ; v2(1790,1505) 1790,1494 1850,1434 v2(2403,1434) ; v2(2852,1424) 2994,1424 v2(3126,1292) ; v2(3186,1330) 3277,1330 3394.5,1447.5 3394.5,1495.5 3411,1512 3466.63,1512 3585.63,1393 v2(3611,1393)
USB_OTG1_VBUS: D3.2 I.MX6UL_CORE.J2_57 | length 6951.6
  Top Layer w10: v1(40,1212) 143,1212 v1(146,1209) ; D3.2@586.99,1237 589.99,1234 v1(632,1234) ; I.MX6UL_CORE.J2_57@3705.18,1298.8 3939.2,1298.8 4003,1235 v1(4003,1019)
  Bottom Layer w10: v1(40,1212) 41,1213 41,957.12 342,656.12 342,43 361,24 1234.63,24 1340.63,130 2273,130 2388.06,14.94 3482.94,14.94 3518,50 3518,543.53 3993.47,1019 v1(4003,1019) ; v1(146,1209) 171,1234 v1(632,1234)
USB_OTG2_DN: I.MX6UL_CORE.J2_55 U10.25 | length 2308.8
  Top Layer w10: I.MX6UL_CORE.J2_55@3705.18,1361.79 4022.21,1361.79 4043.5,1340.5 4311.5,1340.5 4313,1339 v1(4313,1342) ; v1(4010,2714) 4011,2713 4025,2713 4025.43,2713.43 U10.25@4075.27,2713.43 ; v1(4272,2322) 4272,2414 v1(4273,2415) ; v1(4274,1917) 4274,2090.37 4275,2091.37 4275,2104.63 4274,2105.63 v1(4274,2127)
  Bottom Layer w10: v1(4010,2714) 3991,2714 3976,2699 3976,2671 3995,2652 4151,2652 4273,2530 v1(4273,2415) ; v1(4272,2322) 4274,2320 v1(4274,2127) ; v1(4274,1917) 4315,1876 v1@4315,1350
USB_OTG2_DP: I.MX6UL_CORE.J2_56 U10.26 | length 2367.1
  Top Layer w10: I.MX6UL_CORE.J2_56@3705.18,1330.29 4002.95,1330.29 4088.24,1245 v1(4337,1245) ; v1@4026,2679 4033,2686 4075.27,2686 U10.26@4075.27,2687.84 ; v1(4301,1929) 4301,2094 v1(4306,2099) ; v1(4306,2442) 4308,2440 v1(4308,2327)
  Bottom Layer w10: v1(4025,2684) 4145,2684 4306,2523 v1(4306,2442) ; v1(4301,1929) 4309,1921 4309,1905.82 4339,1875.82 4339,1247 v1(4337,1245) ; v1(4306,2099) 4306,2325 v1(4308,2327)
USB_OTG2_VBUS: I.MX6UL_CORE.J2_58 R11.2 | length 1064.6
  Top Layer w10: R11.2@3428,1087.75 3428,1045 3506,967 3812,967 v2(3849,1004) ; I.MX6UL_CORE.J2_58@3705.18,1267.3 3812.7,1267.3 3978,1102 v2(3978,1037)
  Top Layer w15: R11.2@3425,1090.75 R11.2@3428,1087.75
  Bottom Layer w10: v2(3849,1004) 3882,1037 v2(3978,1037)
USB_OTG_VBUS: D3.1 R96.1 R111.2 USB_OTG.1 | length 453.8
  Top Layer w10: USB_OTG.1@367.36,1167.99 306.01,1167.99 296,1178 296,1188 313,1205 391,1205 423,1237 D3.1@461.01,1237 ; R111.2@492.75,1170 471,1170 461.01,1179.99 D3.1@461.01,1237 ; R96.1@494.75,1301 474,1301 461.01,1288.01 D3.1@461.01,1237
USDHC1_CLK: P4.8 R100_4.1 TF_CARD.5 | length 1781.7
  Top Layer w10: R100_4.1@2497,1335 v1@2634.59,1335
  Bottom Layer w10: 2634.59,1322.59 2632,1320 2632,614.23 TF_CARD.5@2634.59,611.64 2634.59,473.41 2808,300 2808,161.14 2906.2,62.94 3120.94,62.94 3145,87 P4.8@3145,108
  other v1: 2635,1335
USDHC1_CMD: P4.7 R4.1 R100_3.1 TF_CARD.3 | length 2092.5
  Top Layer w10: R4.1@2365.47,741.25 2365.47,568.53 2415,519 v1(2547,519) 2629,437 2916,437 P4.7@3145,208 ; R100_3.1@2497,1397.97 2499.97,1395 v1(2592,1395)
  Bottom Layer w10: v1(2547,519) 2547,610.66 TF_CARD.3@2547.98,611.64 2547.98,662 2592,706.02 v1(2592,1395)
USDHC1_DATA0: P4.3 R5.1 R99_1.2 TF_CARD.7 | length 2591.3
  Top Layer w10: R5.1@2484.57,741.25 2484.57,640.43 2661,464 v1(2724,464) 2735,453 3169,453 3345,277 P4.3@3345,208 ; R99_1.2@2496,1650 2498,1648 v1(2720,1648)
  Bottom Layer w10: v1(2720,1648) 2721.2,1646.8 TF_CARD.7@2721.2,611.64 2721.2,466.8 v1(2724,464)
USDHC1_DATA1: P4.4 R6.1 R99_2.2 TF_CARD.8 | length 2678.4
  Top Layer w10: R99_2.2@2496,1587.03 2498.03,1585 v1@2760,1585 ; R6.1@2544.13,741.25 2544.13,630.87 2695,480 2707.47,480 2714.47,487 2733.53,487 2745.53,475 3218,475 3396,297 3396,159 P4.4@3345,108
  Bottom Layer w10: v1@2760,1585 v1(2764.51,1580.49) TF_CARD.8@2764.51,611.64 2764,611.13 v1(2764,490)
USDHC1_DATA2: P4.5 R1.1 R100_2.1 TF_CARD.1 | length 3007.2
  Top Layer w10: R1.1@2246.36,741.25 2246.36,606.64 2390,463 v1(2465,463) ; R100_2.1@2497,1460.95 2532.05,1460.95 v1(2535,1458)
  Bottom Layer w10: TF_CARD.1@2461.36,611.64 2461.36,677.36 2535,751 v1(2535,1458) ; TF_CARD.1@2465,607.28 v1(2465,463) 2383.18,381.18 2383.18,70.82 2423.06,30.94 3271.23,30.94 3290,49.7 3290,163 P4.5@3245,208
USDHC1_DATA3: P4.6 R2.1 R100_1.1 TF_CARD.2 | length 2915.8
  Top Layer w10: R2.1@2305.91,741.25 2305.91,586.09 2401,491 v1(2503,491) ; R100_1.1@2497,1523.92 2583.08,1523.92 2582,1525 v1(2565,1525)
  Bottom Layer w10: v1(2565,1525) 2565,1488 2564,1489 2564,729.33 2504.67,670 TF_CARD.2@2504.67,611.64 2505,611.31 2503,609.31 v1(2503,491) 2486.26,474.26 2488,472.53 2488,453.47 2474.53,440 2464.63,440 2399.18,374.55 2399.18,88.82 2441.06,46.94 3202.56,46.94 3235,79.37 3235,86 3245,86 P4.6@3245,108
VCC3.3A: C35.2 C36.2 L7.2 R53.2 U13.8 U13.10 U13.32 | length 1207.6
  Top Layer w10: v1(4634,1396) 4634,1357.25 R53.2@4632,1355.25 4611.25,1355.25 4604,1348 4604,1307 4596.75,1299.75 L7.2@4574.63,1299.75 4574.63,1228.62 C35.2@4575,1228.25 4630,1228.25 C36.2@4631,1229.25 4652.57,1229.25 ; U13.10@4759.57,1159.23 4722.59,1159.23 4652.57,1229.25 ; U13.8@4789.08,1208.43 4789.08,1226.91 4786.75,1229.25 4652.57,1229.25 ; U13.32@4956.42,1178.92 4985.92,1178.92 v1(4997,1190)
  Bottom Layer w10: v1(4634,1396) 4679,1441 4734.82,1441 4735.82,1440 4758.18,1440 4759.18,1441 4897,1441 4997,1341 v1(4997,1190)
VDD_COIN_3V: BAT.1 C75.1 I.MX6UL_CORE.J1_42 | length 1203.4
  Top Layer w10: BAT.1@1594,2022.73 1594,1966.46 1591,1963.46 1597,1957.46 v1(1597,1934) ; I.MX6UL_CORE.J1_42@2272.11,1771.24 2273.35,1770 C75.1@2438.75,1770 2438.75,1802.25 v1(2437,1804)
  Bottom Layer w10: v1(1597,1934) 2333,1934 2437,1830 v1(2437,1804)
VENET_3V3: C48.2 C51.2 C52.2 C53.2 C59.2 C60.2 C61.2 ENET1.9 ENET1.12 ENET2.9 ENET2.12 L1.2 R22.1 R23.1 R55.2 R56.2 R57.1 R58.1 R59.1 R60.1 R61.1 R63.1 R65.1 R67.1 R71.1 R72.1 U14.1 U14.9 U14.19 U15.1 U15.9 U15.19 | length 1910.6
  Top Layer w10: v1(2238,2896) 2237.5,2895.5 C61.2@2237.5,2858.13 2239.63,2856 2260,2856 2339.79,2776.21 U15.1@2386.28,2776.21 ; R61.1@2358.88,3033 R67.1@2411.69,3033 2411.69,3071.69 v1(2409.31,3071.69) ; C59.2@2440,2522.25 2440,2550 2459.16,2569.16 U15.9@2459.16,2644.28 ; U15.19@2518.21,2809.72 2518.21,2830.21 2546,2858 C60.2@2690.5,2858 2690.5,2893.5 v1(2690,2894) ; R22.1@2570.25,3034 R23.1@2623.06,3034 2623.06,3068.94 v1(2622,3070) ; R72.1@2747.25,2737.95 R71.1@2747.25,2677.92 2851.08,2677.92 v1(2852,2677) ; v1(3045,2898) 3044.5,2897.5 C52.2@3044.5,2858.13 3078.87,2858.13 3160.79,2776.21 U14.1@3181.28,2776.21 ; v1(3193,2517) C53.2@3232,2517 3232,2562 3254.16,2584.16 U14.9@3254.16,2644.28 ; U14.19@3313.45,2809.72 3313.45,2839.45 3332,2858 C51.2@3492.5,2858 3492.5,2895.5 v1(3492,2896) ; v1(3550,2523) 3549.25,2523.75 R56.2@3549.25,2558 R55.2@3549.25,2618.03 3549.25,2736.95 R65.1@3550.25,2737.95
  Top Layer w25: v1(2385,2523) 2385.75,2522.25 C59.2@2440,2522.25 ; L1.2@2928.5,2520 2930.25,2518.25 C48.2@2987,2518.25
VM: C80.2 C84.2 R80.1 U16.3 VD1.2
VUSB: C85.2 F1.2 U19.3 USB_TTL.1 | length 9058.2
  Top Layer w10: v2(56,856) 366,856 456.31,765.69 U19.3@507,765.69 507,743 481.75,717.75 C85.2@481.75,699 481.75,662.75 460.38,641.38 USB_TTL.1@367.36,641.38 ; F1.2@5315.5,3575 5315.5,3679.5 v2(5325,3689)
  Bottom Layer w10: v2(56,856) 30,882 30,945.49 17,958.49 17,3477 176,3636 692,3636 965,3909 4903,3909 5084.5,3727.5 5265.6,3727.5 5304.1,3689 v2(5325,3689)
pads on no net: BAT.0 COM3.1 COM3.4 COM3.6 COM3.7 COM3.8 COM3.9 ENET1.0 ENET1.7 ENET2.0 ENET2.7 I.MX6UL_CORE.0 K1. K1.3 LINE_IN.0 LINE_IN.6 P4.12 PHONE.0 RGBLCD.A RGBLCD.B TF_CARD.0 U1.7 U1.8 U1.9 U1.10 U2.3 U3.3 U4.5 U6.7 U8.1 U8.3 U8.5 U8.6 U8.7 U8.13 U8.16 U8.17 U8.19 U8.20 U8.22 U8.23 U8.25 U8.28 U8.30 U8.31 U8.32 U8.33 U8.44 U8.45 U8.46 U8.47 U8.48 U8.49 U8.51 U8.k1 U8.k2 U8.k3 U8.k4 U10.14 U10.15 U10.19 U10.20 U10.22 U11.1 U11.2 U11.3 U11.4 U11.C4 U12.3 U13.30 U14.4 U15.4 U18.7 U18.8 U18.9 U18.10 U18.11 U18.12 U18.13 U18.14 U18.15 U20.3 U21.3 USB_OTG.MH1 USB_OTG.MH2 USB_TTL.4 USB_TTL.MH1 USB_TTL.MH2
copper on no net:
  other v3: 6979.72,1467.44 6979.72,1788.7

## Polygon pours and split planes (outlines as drawn)
NetDC_IN_1 on Top Layer "DC_IN" (hatched 90Degree grid 4 track 5, remove dead copper, pour order 0): 6548.2,3456.2 6514,3422 6514,3313 6920,3313 6960,3353 6960,3427 6930.8,3456.2
VM on Top Layer "DC_IN" (hatched 90Degree grid 4 track 5, remove dead copper, pour order 2): 6904,3282 6934,3282 6934,3129 6931,3129 6926,3129 6766,3129 6751,3129 6751,3162 6760,3171 6895,3171 6895,3273
5V_DCDC on Top Layer "5VDC" (solid, remove dead copper, pour order 4): 241,2055 360,2055 360,2014 357,2011 257,2011 241,2027
GND on Top Layer "T_GND" (solid, remove dead copper, pour order 6): -223,4074 -331,3966 -331,-43 7429,-43 7388,-2 7388,4066 4684,4066
GND on Bottom Layer "B_GND" (solid, remove dead copper, pour order 8): -156,4082 -265,3973 -265,-284 7130,-284 7363,-517 7504,-376 7504,4182

## Keep-outs
Keep-Out Layer:
  lines w7.87: -1,114.81 -1,3821.1 ; 112.81,3937.01 6969,3937.01 ; 113.9,0 6967.19,0 ; 7086.61,117.9 7086.61,3824
  lines w10: 0.74,3819.1 cw(c118.85,3819.1) 117.81,3937.2 ; 0.8,116.81 ccw(c118.9,117.85) 118.9,-0.26 ; 6966.1,3937.26 cw(c6966.1,3819.15) 7084.2,3820.19 ; 6969.19,-0.2 ccw(c6968.15,117.9) 7086.26,117.9

## Silkscreen, mask and mechanical layers (free items; w line width, h text height)
Top Overlay:
  lines w3.94: 977.4,1063.41 1130,1063.41 ; 1130,963 991.19,963 975.6,978.59 975.6,1149.59 989.01,1163 1130,1163 ; 1330,963 1470.99,963 1484.4,976.41 1484.4,1147.41 1468.81,1163 1330,1163 ; 1332.4,1065.41 1484.4,1065.41 1486.4,1067.41 ; 1415,573 1991,573 1993,571 ; 1417,465 1993,465 ; 1417,521 1993,521 ; 1417,638 1417,411 1987,411 1993,411 1993,686 1415,686 1417,684 1417,628 1985,628 ; 1426,2706 1428,2704 1610,2704 ; 1427,2801 1612,2801 ; 1541,411 1541,626 ; 1598,416 1598,631 ; 1608,2602 1446,2602 1424,2624 1424,2879 1447,2902 1608,2902 ; 1656,413 1656,628 ; 1714,413 1714,628 ; 1769,413 1769,628 ; 1804,2703 1989,2703 ; 1806,2800 1988,2800 1990,2798 ; 1808,2602 1969,2602 1992,2625 1992,2880 1970,2902 1808,2902 ; 1830,413 1830,628 ; 1887,413 1887,628 ; 1941,411 1941,626 ; 1987,626 1985,628 ; 1993,628 1985,628 ; 3859,1247 4445,1247 ; 3861,1048 4447,1048 ; 3861,1345 4447,1345 ; 3861,1449 4447,1449 ; 3861,1649 4447,1649 ; 3861,1849 4447,1849 ; 3861,2051 4447,2051 ; 3861,2250 4447,2250 4451,2254 ; 3863,950 4449,950 ; 3863,1146 4449,1146 ; 3863,1547 4449,1547 ; 3863,1747 4449,1747 ; 3863,1947 4449,1947 ; 3863,2149 4449,2149 ; 3863,2348 4449,2348 4451,2346 ; 4051,848 3863,848 3863,2448 4051,2448 ; 4251,2453 4449,2453 4449,842 4261,842 ; 5859.59,2490.31 5859.59,629.59 5858,628 7041,628 7041,1366 7039,1368 ; 7040.69,2492.31 7040.69,2147 ; 7041,1934 7040.69,1934.31 7040.69,2147 ; 7041,2146.69 7040.69,2147
  text "3.3V" at 5334,3757 h25 r90
  text "GND" at 5431,3754 h25 r90
  text "GND" at 5081,3750 h25 r90
  text "5.0V" at 5683,3750 h25 r90
  text "A" at 405,3592 h25
  text "B" at 608,3589 h25
  text "CANL" at 351,3367 h25 r90
  text "CANH" at 349,3162 h25 r90
  text "COM3_RX" at 1434,2840 h25
  text "COM3_TX" at 1819,2840 h25
  text "U3_TX" at 1481,2742 h25
  text "U3_RX" at 1824,2740 h25
  text "485_TX" at 1817,2638 h25
  text "485_RX" at 1464,2635 h25
  text "USART3" at 1588,2530 h45
  text "U5_RX" at 4257,2386 h31.5
  text "U5_TX" at 3898,2384 h31.5
  text "U4_RX" at 4257,2286.3 h31.5
  text "U4_TX" at 3895.3,2284.5 h31.5
  text "U3_CTS" at 4257,2186.6 h31.5
  text "U3_RTS" at 3872.96,2185 h31.5
  text "U3_TX" at 4257,2086.9 h31.5
  text "U3_RX" at 3893.95,2085.5 h31.5
  text "U2_RTS" at 4257,1987.2 h31.5
  text "U3_CTS" at 3877.01,1986 h31.5
  text "U2_TX" at 4257,1887.5 h31.5
  text "U2_RX" at 3893.95,1886.5 h31.5
  text "J_MOD" at 4257,1787.8 h31.5
  text "GPIO8" at 3916.14,1776.5 h31.5
  text "GPIO9" at 4257,1677.6 h31.5
  text "GPIO3" at 3916.14,1677 h31.5
  text "U1_CTS" at 4257,1588.4 h31.5
  text "GPIO1" at 3923.64,1577.5 h31.5
  text "GPIO2" at 3916.14,1478 h31.5
  text "GPIO4" at 4257,1478.2 h31.5
  text "GPIO0" at 3916.14,1378.5 h31.5
  text "TAMP2" at 4257,1378.5 h31.5
  text "TAMP7" at 3898.6,1279 h31.5
  text "TAMP5" at 4257,1278.8 h31.5
  text "MODE1" at 3907.45,1179.5 h31.5
  text "TAMP8" at 4257,1179.1 h31.5
  text "U1_TX" at 1352.4,1105.41 h25
  text "RXD" at 1044.4,1102.41 h25
  text "TAMP0" at 3898.6,1080 h31.5
  text "MODE0" at 4257,1079.4 h31.5
  text "TXD" at 1047.4,1002.41 h25
  text "U1_RX" at 1349.4,1002.41 h25
  text "ON_OFF" at 3869.96,991 h31.5
  text "TAMP1" at 4257,979.7 h31.5
  text "USART1" at 1119.4,890.41 h45
  text "TAMP4" at 3895.6,881 h31.5
  text "GND" at 4257,880 h31.5
  text "0" at 1561.02,590 h25
  text "1" at 1623.55,590 h25
  text "0" at 1677.14,590 h25
  text "0" at 1733.71,590 h25
  text "0" at 1791.31,590 h25
  text "0" at 1850.86,590 h25
  text "0" at 1907.43,590 h25
  text "0" at 1961.02,590 h25
  text "USB" at 1450.46,588 h25
  text "1" at 1564,535.67 h25
  text "0" at 1620.57,535.67 h25
  text "0" at 1677.14,535.67 h25
  text "0" at 1733.71,535.67 h25
  text "0" at 1791.31,535.67 h25
  text "0" at 1850.86,535.67 h25
  text "1" at 1910.4,535.67 h25
  text "0" at 1961.02,535.67 h25
  text "SD" at 1463,534 h25
  text "1" at 1564,481.33 h25
  text "0" at 1620.57,481.33 h25
  text "1" at 1677.14,481.33 h25
  text "0" at 1733.71,481.33 h25
  text "0" at 1791.31,481.33 h25
  text "1" at 1853.83,481.33 h25
  text "1" at 1910.4,481.33 h25
  text "0" at 1961.02,481.33 h25
  text "EMMC" at 1436,480 h25
  text "NAND" at 1436,427 h25
  text "1" at 1564,427 h25
  text "0" at 1620.57,427 h25
  text "0" at 1677.14,427 h25
  text "0" at 1733.71,427 h25
  text "1" at 1794.29,427 h25
  text "0" at 1850.86,427 h25
  text "0" at 1907.43,427 h25
  text "1" at 1964,427 h25
  text "CAMERA" at 641,299 h45
  text "CD" at 2925,273 h25
  text "INT" at 3025,273 h25
  text "CMD" at 3120,273 h25
  text "D2" at 3230,273 h25
  text "D0" at 3330,273 h25
  text "3.3V" at 3420,273 h25
  text "GND" at 351,260 h25
  text "SCL" at 463,260 h25
  text "SDA" at 552,260 h25
  text "D0" at 670,260 h25
  text "D2" at 769,260 h25
  text "D4" at 875,260 h25
  text "D6" at 966,260 h25
  text "OCLK" at 1046,260 h25
  text "PWDN" at 1140,260 h25
  text "ATK MODULE" at 3728.92,160.74 h25
  text "NC" at 2925,23 h25
  text "REG" at 3010,23 h25
  text "CLK" at 3115,23 h25
  text "D3" at 3225,23 h25
  text "D1" at 3325,23 h25
  text "GND" at 3410,23 h25
  text "5V" at 3593.92,15.74 h25
  text "GND" at 3683.92,15.74 h25
  text "TXD" at 3783.92,15.74 h25
  text "RXD" at 3878.92,15.74 h25
  text "KEY" at 3986.3,15.74 h25
  text "LED" at 4083.92,15.74 h25
  text "3.3V" at 328,15 h25
  text "VSYNC" at 411,15 h25
  text "HREF" at 541,15 h25
  text "RST" at 654,15 h25
  text "D1" at 768,15 h25
  text "D3" at 866,15 h25
  text "D5" at 963,15 h25
  text "D7" at 1066,15 h25
  text "XCLK" at 1143,15 h25

## Text inside footprints (layer, text, board x,y; h text height)
BOOT_CFG: Top Overlay "ON" at 1423,277 h25
RGBLCD: Top Overlay "40" at 392.21,2771.64 h25 r90; Top Overlay "1" at 388.21,2023.64 h25 r90
TF_CARD: Bottom Overlay "Cd" at 2820.36,560.64 h25 r90; Bottom Overlay "8" at 2767.36,538.64 h25; Bottom Overlay "7" at 2723.36,537.64 h25; Bottom Overlay "6" at 2681.36,537.64 h25; Bottom Overlay "5" at 2639.36,537.64 h25; Bottom Overlay "4" at 2597.36,536.64 h25; Bottom Overlay "3" at 2550.36,536.64 h25; Bottom Overlay "2" at 2508.36,536.64 h25; Bottom Overlay "1" at 2465.36,535.64 h25